# Allegro board 6089-119-RevA_41.brd (continued)
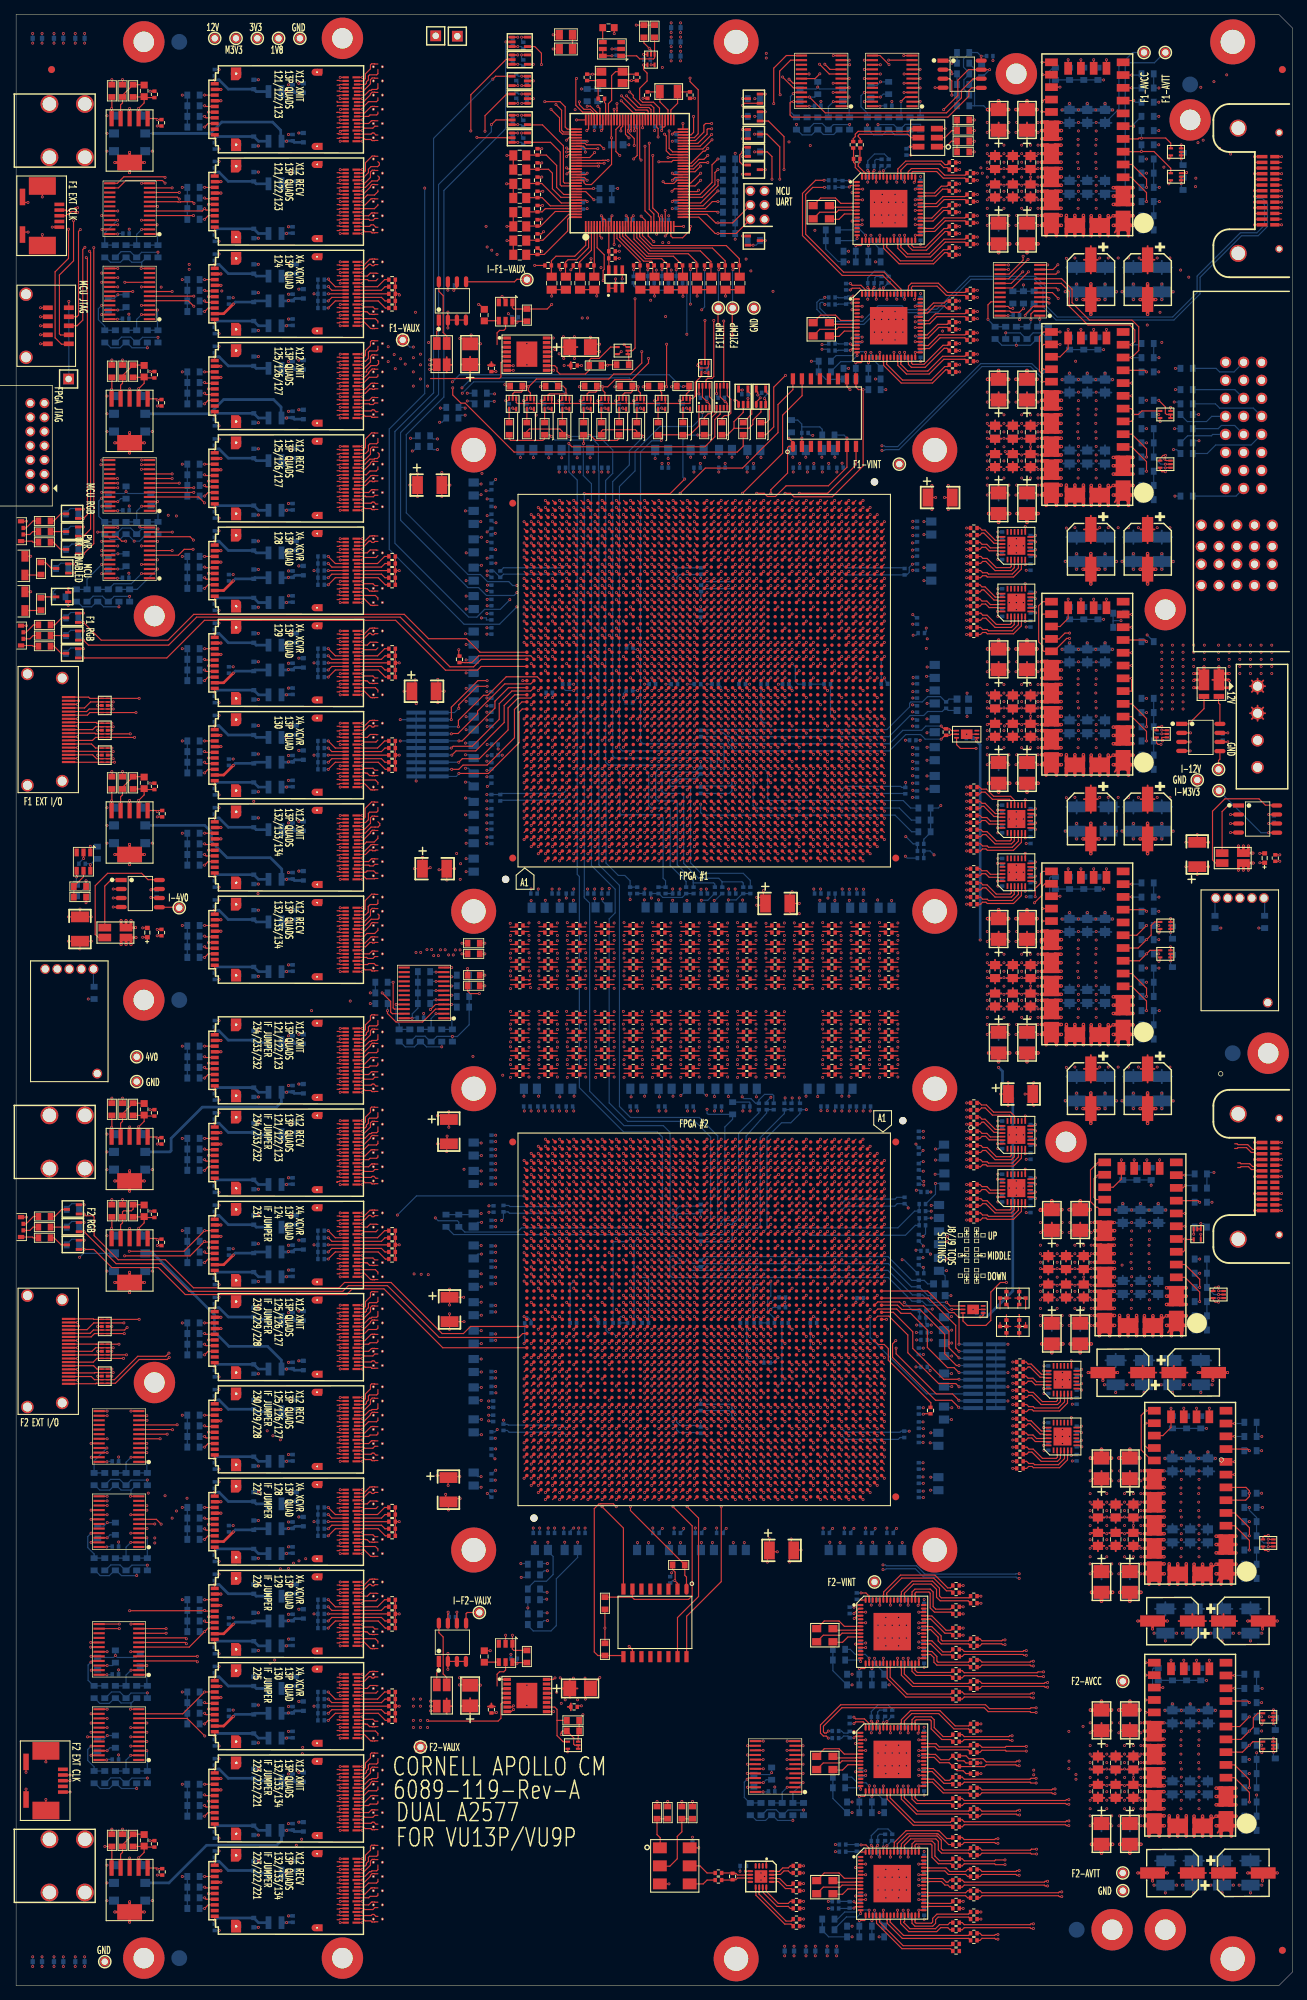
[diagram p0: board, top side]
## Routing (per net, layer and track width the routed paths; a pad name or vN(x,y) marks a point on that pad's centre or on a via; arc(x,y) is an arc through that point) (continued)
NMGT_SM_TO_F1_1: length 139.6
  TOP w0.165: U75.BG19 118.39,176.51 ; P2.5 178.38,256.12
  SIG2 w0.083: 118.39,176.51 118.39,176.82 arc(118.42,176.88) 118.47,176.9 118.56,176.9 arc(118.87,177.03) 119,177.35 119,177.85 arc(118.91,178.06) 118.7,178.15 117.31,178.15 arc(116.95,178) 116.8,177.64 116.8,169.45 arc(116.95,169.1) 117.3,168.95 118.61,168.95 arc(118.85,169.05) 118.95,169.29 118.95,170.51 arc(118.98,170.64) 119.05,170.75 arc(119.22,170.86) 119.41,170.9 126.87,170.9 arc(128,171.12) 128.96,171.76 130.41,173.21 arc(130.96,174.03) 131.15,175 131.15,193.18 arc(131.39,194.4) 132.08,195.44 132.84,196.2 arc(133.56,196.67) 134.4,196.84 135.07,196.84 arc(135.92,197.01) 136.64,197.49 138.42,199.28 arc(139.23,200.48) 139.51,201.9 139.51,202.63 arc(139.75,203.86) 140.45,204.91 145.41,209.87 arc(146,210.75) 146.21,211.79 146.21,218.14 arc(146.3,218.58) 146.54,218.95 146.77,219.17 arc(147.07,219.37) 147.41,219.44 149.67,219.44 arc(149.96,219.5) 150.21,219.67 150.27,219.73 arc(150.48,220.03) 150.55,220.39 150.55,223.82 arc(150.61,224.12) 150.78,224.38 150.91,224.51 arc(151.33,224.81) 151.83,224.96 arc(152.33,225.1) 152.75,225.4 154.06,226.71 arc(154.09,226.74) 154.11,226.78 154.28,227.13 arc(154.29,227.17) 154.3,227.21 arc(154.39,227.41) 154.52,227.58 164.92,237.97 arc(166.17,239.85) 166.61,242.05 166.61,243.26 arc(166.92,244.83) 167.81,246.16 168.17,246.52 arc(169.26,247.25) 170.53,247.5 174.24,247.5 arc(174.94,247.64) 175.54,248.04 175.6,248.1 arc(176.12,248.87) 176.3,249.79 176.3,255.47 arc(176.58,256.14) 177.25,256.42 178.05,256.42 arc(178.09,256.41) 178.11,256.4 178.38,256.12
NMGT_SM_TO_F1_2: length 114.2
  TOP w0.165: U75.BF17 117.39,174.51 ; P2.6 174.58,256.12
  SIG2 w0.083: 174.58,256.12 174.35,256.35 173.86,256.35 arc(173.25,256.23) 172.73,255.88 159.41,242.56 arc(158.89,241.79) 158.71,240.89 158.71,240.81 arc(158.45,239.47) 157.69,238.34 147.42,228.07 arc(147.19,227.73) 147.11,227.34 arc(147.03,226.94) 146.8,226.6 146.04,225.84 arc(145.43,225.43) 144.7,225.29 140.79,225.29 arc(140.14,225.16) 139.59,224.79 136.24,221.44 arc(135.8,220.79) 135.65,220.03 135.65,203.49 arc(135.52,202.85) 135.17,202.32 135.07,202.22 arc(134.55,201.87) 133.93,201.75 133.93,201.75 arc(132.98,201.56) 132.18,201.03 126.57,195.42 arc(125.82,194.3) 125.56,192.99 125.56,178.91 arc(125.3,177.59) 124.55,176.46 123.5,175.41 arc(122.93,175.04) 122.27,174.9 117.47,174.9 arc(117.42,174.88) 117.39,174.82 117.39,174.51
NMGT_SM_TO_F2_1: length 116.8
  TOP w0.165: U77.BG19 75.61,101.29 ; 177.43,117.22 178.38,117.22
  SIG3 w0.083: 75.61,101.29 75.61,100.98 arc(75.58,100.92) 75.53,100.9 75.44,100.9 arc(75.16,100.78) 75.04,100.49 75.04,98.15 arc(75.18,97.83) 75.5,97.69 132.88,97.69 arc(133.8,97.87) 134.58,98.39 146.4,110.21 arc(146.5,110.36) 146.55,110.54 arc(146.57,110.63) 146.6,110.71 arc(146.65,110.79) 146.71,110.86 152.1,116.25 arc(152.76,116.69) 153.55,116.85 174.08,116.85 arc(174.47,116.93) 174.8,117.15 arc(175.21,117.42) 175.69,117.52 178.05,117.52 arc(178.09,117.51) 178.11,117.5 178.38,117.22
NMGT_SM_TO_F2_2: length 113.4
  TOP w0.165: 171.78,117.98 172.12,117.98 172.24,118.1 173.44,118.1 174.12,117.42 174.53,117.42 174.72,117.22 175.64,117.22 ; U77.BF17 76.61,103.29
  SIG3 w0.083: 76.61,103.29 76.61,102.98 arc(76.58,102.92) 76.53,102.9 76.44,102.9 arc(76.12,102.76) 75.99,102.44 75.99,99.15 arc(76.13,98.83) 76.45,98.69 132.45,98.69 arc(132.95,98.79) 133.37,99.07 151.76,117.46 arc(152.57,118) 153.51,118.19 171.27,118.19 arc(171.54,118.14) 171.78,117.98
NTCDS_FROM_ZYNQ_A: length 106.3
  TOP w0.165: U75.BJ33 120.39,191.29 ; J8.4 139.6,98.36
  SIG4 w0.083: 120.39,191.29 120.39,190.98 arc(120.42,190.92) 120.47,190.9 120.56,190.9 arc(120.87,190.77) 121,190.45 121,190.1 arc(121.07,189.92) 121.25,189.85 123.05,189.85 arc(123.84,189.69) 124.5,189.25 125.8,187.95 125.95,187.95 126.18,187.72 126.18,187.57 126.41,187.34 126.56,187.34 126.8,187.1 126.8,186.95 127.03,186.72 127.18,186.72 127.41,186.49 127.41,186.34 132.21,181.54 arc(132.36,181.32) 132.41,181.06 132.41,160.53 arc(132.53,159.94) 132.86,159.44 134.33,157.96 arc(134.5,157.71) 134.56,157.42 134.56,102.75 arc(134.63,102.41) 134.82,102.13 138.72,98.23 arc(138.96,98.07) 139.25,98.01 140.21,98.01 arc(140.34,98.06) 140.4,98.19 140.4,98.27 arc(140.37,98.33) 140.31,98.36 139.6,98.36
NTCDS_FROM_ZYNQ_B: length 100.1
  TOP w0.165: U75.BJ19 120.39,176.51 ; J8.2 139.85,95.75 139.85,95.44
  SIG4 w0.083: 139.85,95.44 140.34,95.45 arc(140.4,95.47) 140.42,95.53 140.42,95.61 arc(140.42,95.61) 140.42,95.61 140.42,95.75 arc(140.29,96.06) 139.98,96.19 138.65,96.19 arc(137.97,96.33) 137.39,96.71 133.04,101.06 arc(132.41,102.01) 132.19,103.12 132.19,154.88 arc(131.78,156.94) 130.61,158.69 129.83,159.47 arc(129.22,160.39) 129,161.47 129,171.48 128.9,171.58 128.9,171.91 129,172.01 129,172.56 128.9,172.66 128.9,172.99 129,173.09 129,173.42 128.9,173.52 128.9,173.85 129,173.95 129,175.84 arc(128.88,176.45) 128.54,176.96 126.88,178.62 arc(126.58,178.82) 126.23,178.89 121.24,178.89 arc(121.23,178.89) 121.21,178.88 121.11,178.84 arc(121.07,178.82) 121.05,178.79 arc(121.02,178.73) 121.01,178.67 121.01,177.3 arc(120.99,177.18) 120.92,177.08 120.84,177 arc(120.73,176.93) 120.61,176.9 120.47,176.9 arc(120.42,176.88) 120.39,176.82 120.39,176.51
NTCDS_TO_ZYNQ_A: length 117.7
  TOP w0.165: J9.4 139.6,94.55 ; U75.BJ38 120.39,196.29
  SIG4 w0.083: 120.39,196.29 120.39,195.98 arc(120.37,195.92) 120.31,195.9 120.23,195.9 arc(119.92,195.77) 119.8,195.47 119.8,189.15 arc(119.95,188.8) 120.3,188.65 122.65,188.65 arc(123.3,188.52) 123.85,188.15 130.63,181.37 arc(131.02,180.8) 131.15,180.12 131.15,159.96 arc(131.33,159.07) 131.83,158.32 131.84,158.31 arc(132.88,156.76) 133.24,154.93 133.24,103.07 arc(133.43,102.14) 133.96,101.35 137.56,97.74 arc(138.06,97.41) 138.65,97.29 141.35,97.29 arc(141.63,97.18) 141.74,96.9 141.74,95.28 arc(141.68,95.15) 141.55,95.09 140.58,95.09 140.41,94.92 140.41,94.63 arc(140.39,94.57) 140.33,94.55 139.6,94.55
NTCDS_TO_ZYNQ_B: length 105
  TOP w0.165: U75.BJ14 120.39,171.51 ; J9.2 139.6,91.44
  SIG4 w0.083: 126.99,123.7 126.99,123.61 ; 126.99,123.7 126.99,163.06 126.9,163.15 126.9,163.48 126.99,163.57 126.99,163.9 126.9,163.99 126.9,164.32 126.99,164.41 126.99,164.74 126.9,164.83 126.9,165.16 126.99,165.25 126.99,165.58 126.9,165.67 126.9,166 126.99,166.09 126.99,174.11 arc(126.83,174.89) 126.39,175.56 124.7,177.25 arc(123.98,177.73) 123.13,177.9 122.3,177.9 arc(122.14,177.85) 122.03,177.72 arc(122.01,177.69) 122.01,177.64 122.01,176.31 arc(121.98,176.17) 121.9,176.05 arc(121.73,175.94) 121.54,175.9 121.17,175.9 arc(121.05,175.85) 121,175.73 121,172.35 arc(120.87,172.03) 120.56,171.9 120.47,171.9 arc(120.42,171.88) 120.39,171.82 120.39,171.51 ; 126.99,123.7 arc(127.17,122.79) 127.69,122.02 129.16,120.54 129.22,120.48 arc(129.98,119.34) 130.25,118 130.25,102.76 arc(130.32,102.43) 130.5,102.15 135.07,97.58 arc(135.14,97.49) 135.18,97.39 135.54,95.69 arc(135.62,95.48) 135.75,95.3 138.47,92.58 arc(138.85,92.33) 139.29,92.24 140.05,92.24 arc(140.3,92.14) 140.4,91.9 140.4,91.53 arc(140.37,91.47) 140.31,91.44 139.6,91.44
NV_1V8_SENSE: length 96.5
  TOP w0.165: R79.1 v1(66.07,140.9) ; U108.20 v1(144.68,151.78)
  PWR3 w0.165: v1(66.07,140.9) 66.07,141.28 66.24,141.44 66.65,141.44 67.35,140.74 67.35,138.85 68.3,137.9 125.15,137.9 130.58,143.33 136.73,143.33 136.74,143.34 137.06,143.34 137.07,143.33 139.08,143.33 139.09,143.34 139.41,143.34 139.42,143.33 141.58,143.33 141.59,143.34 141.91,143.34 141.92,143.33 143.88,143.33 143.89,143.34 144.21,143.34 144.22,143.33 144.37,143.33 144.38,143.34 144.7,143.34 144.71,143.33 144.73,143.33 144.74,143.34 144.94,143.34 146.47,144.86 146.47,150.52 145.94,151.05 144.95,151.05 144.68,151.32 v1(144.68,151.78)
NV_3V3_SENSE: length 94.2
  TOP w0.165: U108.18 145.03,155.28 144.65,154.9 144.65,153.7 v1(143.55,152.6) ; R77.1 v1(66.07,145.4)
  PWR3 w0.165: v1(143.55,152.6) 142.8,152.6 142.19,151.99 141.79,151.99 140.58,150.78 135.93,150.78 124.3,139.15 69.35,139.15 68.6,139.9 68.6,145.05 67.71,145.94 66.24,145.94 66.07,145.78 v1(66.07,145.4)
NV_F1_AVCC_SENSE: length 127.7
  TOP w0.165: U105.18 v1(144.72,269.27)
  PWR3 w0.165: v1(67.45,224.3) 67.75,223.97 67.98,223.96 68.16,223.96 68.57,223.55 68.57,221.9 69.55,220.92 103.53,220.92 109.58,226.97 109.58,255.98 118.3,264.7 118.3,266.79 119.28,267.77 122.22,267.77 127.27,272.82 145.88,272.82 146.81,271.89 146.81,271.31 145.94,270.45 145.9,270.45 v1(144.72,269.27)
  BOTTOM w0.165: v1(67.45,224.3) 66.46,224.3 R473.1
NV_F1_AVTT_SENSE: length 120.8
  TOP w0.165: U105.20 144.95,265.77 v1(144.68,265.5)
  PWR3 w0.165: v1(144.68,265.5) 144.48,265.3 143.16,265.3 141.71,263.85 120.05,263.85 111.58,255.38 111.58,229.62 110.78,228.82 110.78,225.97 104.18,219.37 67.38,219.37 64.74,222.01 63.59,222.01 v1(63.3,222.3)
  BOTTOM w0.165: R480.1 63.2,222.4 v1(63.3,222.3)
NV_F1_INT_SENSE: length 156
  TOP w0.165: U106.20 v1(144.68,227.78) 144.67,227.78 144.67,231.08 144.87,231.28 U106.18 v1(147.15,231.28) ; v1(148.5,190.6) 147.85,190.6 147.03,189.78 U107.20 144.82,189.78 144.56,190.04 144.56,193.11 144.73,193.28 U107.18
  SIG1 w0.083: v1(147.15,231.28) 147.15,232 147.3,232.15 147.76,232.15 147.84,232.07 147.84,227.06 148.54,226.36 148.54,196.36 149.5,195.4 149.5,190.7 149.16,190.36 149.04,190.36 148.8,190.6 v1(148.5,190.6)
  PWR3 w0.165: v1(122.05,216.99) 121.66,216.99 121.54,216.87 68.07,216.87 65.72,219.22 63.27,219.22 61.42,217.37 59.61,217.37 59.4,217.57 v1(59.4,217.95)
  BOTTOM w0.165: v1(144.68,227.78) 144.91,227.54 144.91,227.31 144.79,227.19 144.55,227.19 144.25,227.5 144.25,227.53 143.88,227.9 143.84,227.9 143.17,228.57 135.97,228.57 124.27,216.87 122.51,216.87 122.39,216.99 v1(122.05,216.99) ; R486.1 58.81,217.95 v1(59.4,217.95)
NV_F2_AVCC_SENSE: length 110.8
  TOP w0.165: U118.18 v1(159.25,43.77)
  PWR3 w0.165: v1(74.8,54.48) 74.8,54.45 75.06,54.71 75.06,54.78 75.3,54.76 99.54,54.76 115.8,38.51 115.8,31.1 118.15,28.75 141.34,28.75 142.44,29.85 142.94,29.85 143.06,29.73 v1(143.45,29.73)
  PWR4 w0.165: v1(159.25,43.77) 159.25,44.28 159.08,44.44 155.54,44.44 147.42,36.32 147.42,33.77 143.62,29.97 143.45,29.97 v1(143.45,29.73)
  BOTTOM w0.165: R465.1 73.91,54.45 74.8,54.45 v1(74.8,54.48)
NV_F2_AVTT_SENSE: length 112.9
  TOP w0.165: U118.20 v1(159.25,40.27)
  PWR3 w0.165: v1(149.4,29.77) 149.01,29.77 148.89,29.65 146.7,29.65 145.05,28 143.06,28 138.86,23.8 111.3,23.8 107.87,27.23 107.87,33.11 105.11,35.87 100.43,35.87 84.06,52.24 75.45,52.24 75.21,52.22 v1(74.85,52.55)
  PWR4 w0.165: v1(149.4,29.77) 149.79,29.77 149.91,29.65 150.18,29.65 150.58,30.05 150.58,34.48 151,34.9 155.25,34.9 157,36.65 157,38.99 157.67,39.67 158.64,39.67 v1(159.25,40.27)
  BOTTOM w0.165: R466.1 74.01,52.55 v1(74.85,52.55)
NV_F2_INT_SENSE: length 153.5
  TOP w0.165: 152.25,114 v1(152.22,114) ; 152.25,114 152.52,114.28 U109.18 ; 152.25,114 151.95,113.7 151.95,111.1 152.27,110.78 U109.20 ; U117.20 159.47,75.78 159.05,76.2 159.05,79.08 v1(159.25,79.28) U117.18
  SIG2 w0.083: v1(152.22,114) 152.25,114 152.25,114.45 152.85,115.05 153.37,115.05 153.45,114.97 153.45,90.25 158,85.7 158,80.9 158.86,80.05 159.16,80.05 159.25,79.96 v1(159.25,79.28)
  PWR3 w0.165: v1(74.9,58.48) 74.9,58.45 75.22,58.77 121.69,58.77 121.81,58.64 v1(122.2,58.64) ; v1(141.4,57.4) 141.85,57.4 141.98,57.53 142.82,57.53 150.77,65.48 150.77,74.48 156.17,79.88 158.7,79.88 159.25,79.34 v1(159.25,79.28)
  BOTTOM w0.165: v1(74.9,58.48) 74.44,58.48 R463.1 ; v1(122.2,58.64) 122.54,58.64 122.66,58.77 126.75,58.77 127.92,57.6 140.95,57.6 141.07,57.48 141.32,57.48 v1(141.4,57.4)
NXTAL_R0A: length 6.7
  TOP w0.165: U86.9 117.86,250.15 117.82,250.19 115.94,250.19 115.65,249.9 113.28,249.9 X3.3
NXTAL_R0B: length 6.7
  TOP w0.165: X4.3 113.28,233.4 115.65,233.4 115.94,233.69 117.82,233.69 117.86,233.65 U87.9
NXTAL_R1A: length 6.7
  TOP w0.165: X7.3 113.78,13.9 116.15,13.9 116.44,14.19 118.32,14.19 118.36,14.15 U91.9
NXTAL_R1B: length 6.7
  TOP w0.165: X6.3 113.78,31.4 116.15,31.4 116.44,31.69 118.32,31.69 118.36,31.65 U90.9
NXTAL_R1C: length 6.7
  TOP w0.165: X5.3 113.78,49.4 116.15,49.4 116.44,49.69 118.32,49.69 118.36,49.65 U89.9
OSC0: length 10.4
  TOP w0.165: U68.88 83.5,265.2 83.95,265.65 83.95,269.15 84.5,269.7 X1.1 85.85,269.35 C134.1
OSC1: length 3.1
  TOP w0.165: U68.89 83.1,265.2 82.95,265.35 R107.2
PCON1_TCDS_IN: length 145.9
  TOP w0.165: U75.BG32 118.39,190.29 ; P2.21 178.38,249.72
  SIG2 w0.083: 178.38,249.72 178.11,249.45 arc(178.09,249.44) 178.05,249.43 177.97,249.43 arc(177.76,249.34) 177.68,249.14 177.68,247.76 arc(177.58,247.27) 177.3,246.85 arc(176.09,246.04) 174.65,245.75 172.26,245.75 arc(171.56,245.61) 170.96,245.21 170.84,245.09 arc(170.37,244.38) 170.2,243.54 170.2,241.11 arc(169.95,239.85) 169.23,238.78 166.16,235.71 165.91,235.71 165.68,235.48 165.68,235.22 165.44,234.99 165.19,234.99 164.96,234.76 164.96,234.5 164.72,234.27 164.47,234.27 164.24,234.04 164.24,233.78 164,233.55 163.75,233.55 163.52,233.32 163.52,233.06 155.91,225.45 arc(155.31,224.56) 155.1,223.5 155.1,210.01 arc(154.94,209.2) 154.48,208.52 143.47,197.51 arc(142.8,197.06) 142,196.9 141.41,196.9 arc(140.71,196.76) 140.11,196.36 139.76,196.01 arc(139.23,195.21) 139.04,194.27 139.04,190.17 arc(138.92,189.59) 138.59,189.09 135.78,186.28 arc(134.91,184.97) 134.6,183.43 134.6,173.25 arc(134.37,172.07) 133.7,171.07 132.11,169.48 arc(130.58,168.46) 128.77,168.1 116.35,168.1 arc(116.21,168.13) 116.1,168.21 116.09,168.21 arc(115.99,168.36) 115.96,168.53 115.96,190.36 arc(116.06,190.6) 116.3,190.7 118.25,190.7 arc(118.35,190.66) 118.39,190.56 118.39,190.29
PCON1_TCDS_OUT: length 106.3
  TOP w0.165: U75.BH39 119.39,197.29 ; P2.22 174.58,249.72
  SIG2 w0.083: 174.58,249.72 174.85,249.45 arc(174.87,249.44) 174.91,249.43 174.99,249.43 arc(175.24,249.54) 175.35,249.79 175.35,257.22 arc(175.29,257.53) 175.11,257.79 174.98,257.93 arc(174.63,258.16) 174.22,258.24 173.12,258.24 arc(172.63,258.14) 172.21,257.87 170.82,256.47 170.82,256.32 170.59,256.09 170.43,256.09 170.2,255.85 170.2,255.7 169.96,255.46 169.81,255.46 169.58,255.23 169.58,255.08 169.34,254.84 169.19,254.84 168.96,254.61 168.96,254.46 168.72,254.22 168.57,254.22 168.34,253.99 168.34,253.84 168.1,253.6 167.95,253.6 167.72,253.37 167.72,253.22 167.48,252.98 167.33,252.98 167.1,252.75 167.1,252.6 166.86,252.36 166.71,252.36 158.04,243.69 arc(157.99,243.63) 157.96,243.57 arc(157.89,243.41) 157.78,243.27 151.9,237.39 arc(151.3,236.99) 150.59,236.85 149.68,236.85 arc(148.78,236.67) 148.03,236.17 134,222.13 arc(133.52,221.43) 133.36,220.6 133.36,205.48 arc(133.13,204.31) 132.46,203.31 124.56,195.41 arc(123.76,194.88) 122.82,194.69 120.3,194.69 arc(119.94,194.84) 119.79,195.2 119.79,197.45 arc(119.72,197.62) 119.56,197.69 119.47,197.69 arc(119.42,197.66) 119.39,197.6 119.39,197.29
PCON2_TCDS_IN: length 77.6
  TOP w0.165: U77.BG32 75.61,87.51 ; J8.7 142.3,95.35 142.31,95.35
  SIG3 w0.083: 75.61,87.51 75.61,87.2 arc(75.63,87.14) 75.69,87.11 arc(75.91,87.2) 76,87.42 76,94.5 arc(76.12,94.78) 76.4,94.9 136.06,94.9 arc(136.65,95.02) 137.15,95.35 arc(137.87,95.83) 138.72,96 140,96 arc(140.46,95.81) 140.65,95.35 140.65,95.26 arc(140.7,95.14) 140.81,95.1 141.67,95.1 arc(141.84,95.13) 141.98,95.22 142.03,95.28 arc(142.11,95.33) 142.2,95.35 142.31,95.35
PCON2_TCDS_MIXED_IN: length 48.9
  TOP w0.165: J8.5 140.79,96.9 ; P3.21 178.38,110.83
  SIG3 w0.083: 175.66,112.2 175.75,112.2 ; 175.66,112.2 174.35,112.2 arc(173.98,112.13) 173.67,111.92 171.46,109.71 171.31,109.71 171.07,109.47 171.07,109.32 170.84,109.09 170.69,109.09 170.46,108.86 170.46,108.71 170.22,108.47 170.07,108.47 169.84,108.24 169.84,108.09 161.97,100.22 arc(161.65,99.74) 161.54,99.18 161.54,97.94 arc(161.52,97.74) 161.46,97.55 arc(161.37,97.39) 161.25,97.25 160.71,96.71 arc(160.1,96.3) 159.39,96.16 140.86,96.16 arc(140.68,96.23) 140.6,96.41 140.6,96.5 arc(140.63,96.56) 140.69,96.58 140.71,96.58 arc(140.77,96.6) 140.79,96.66 140.79,96.9 ; 175.66,112.2 arc(175.97,112.14) 176.23,111.96 177.45,110.75 arc(177.69,110.59) 177.97,110.53 178.05,110.53 arc(178.09,110.54) 178.11,110.55 178.38,110.83
PCON2_TCDS_MIXED_OUT: length 47
  TOP w0.165: J9.5 140.79,92.9 ; P3.22 174.58,110.83
  SIG3 w0.083: 140.79,92.9 140.73,92.84 arc(140.64,92.7) 140.61,92.55 140.61,92.34 arc(140.65,92.24) 140.75,92.2 159.48,92.2 arc(160.43,92.39) 161.23,92.92 163.01,94.71 arc(163.51,95.46) 163.69,96.35 163.69,99.64 arc(163.84,100.38) 164.25,101 168.82,105.57 168.82,105.67 168.82,105.67 168.82,105.77 169.06,106.01 169.16,106.01 169.26,106.01 169.5,106.24 169.5,106.34 169.5,106.44 169.73,106.68 169.83,106.68 169.93,106.68 170.17,106.91 170.17,107.01 170.17,107.12 170.4,107.35 170.5,107.35 170.6,107.35 173.51,110.26 arc(173.81,110.46) 174.16,110.53 174.25,110.53 arc(174.28,110.54) 174.31,110.55 174.58,110.83
PCON2_TCDS_OUT: length 82.8
  TOP w0.165: U77.BH39 74.61,80.51 ; J9.7 142.3,93.46
  SIG3 w0.083: 142.3,93.46 140.69,93.46 arc(140.63,93.48) 140.6,93.54 140.6,93.75 arc(140.52,93.96) 140.3,94.05 136.46,94.05 arc(136.32,94.02) 136.19,93.94 136.15,93.89 arc(136.05,93.83) 135.95,93.81 126.5,93.81 arc(126.12,93.75) 125.77,93.59 arc(125.63,93.52) 125.49,93.48 arc(125.43,93.46) 125.37,93.46 77.29,93.46 arc(77.09,93.37) 77,93.17 77,80.41 arc(76.91,80.2) 76.7,80.11 74.69,80.11 arc(74.63,80.14) 74.61,80.2 74.61,80.51
PF1_A_RECV0: length 23
  TOP w0.165: 105.69,141.06 106.39,141.06 C218.1 ; U75.AU2 108.39,159.51
  SIG4 w0.083: 108.39,159.51 108.39,159.2 arc(108.42,159.14) 108.47,159.11 108.56,159.11 arc(108.87,158.98) 109,158.67 109,152.14 arc(108.82,151.23) 108.3,150.45 arc(108,150.01) 107.9,149.48 107.9,141.9 arc(107.72,141.48) 107.3,141.3 106.26,141.3 arc(105.95,141.24) 105.69,141.06 105.92,141.29 106.18,141.29 106.17,141.3 106.1,141.3
PF1_A_RECV1: length 21.3
  TOP w0.165: 105.69,143.56 106.39,143.56 C216.1 ; U75.AT4 107.39,161.51
  SIG4 w0.083: 107.39,161.51 107.39,161.2 arc(107.42,161.14) 107.47,161.11 107.56,161.11 arc(107.87,160.98) 108,160.67 108,151.5 arc(107.94,151.02) 107.76,150.57 arc(107.76,150.57) 107.76,150.57 107.75,150.56 arc(107.49,149.89) 107.4,149.17 107.4,144.1 arc(107.31,143.89) 107.1,143.8 106.2,143.8 arc(105.95,143.75) 105.74,143.61 105.69,143.56
PF1_A_RECV2: length 16
  TOP w0.165: U75.AR2 106.39,159.51 ; 105.69,146.06 106.39,146.06 C214.1
  SIG4 w0.083: 106.39,159.51 106.39,159.2 arc(106.42,159.14) 106.47,159.11 106.56,159.11 arc(106.87,158.98) 107,158.67 107,150.41 arc(106.98,150.28) 106.93,150.15 arc(106.88,150.02) 106.86,149.89 106.86,147.13 arc(106.79,146.79) 106.6,146.5 arc(106.38,146.35) 106.12,146.3 arc(105.94,146.27) 105.8,146.17 105.69,146.06
PF1_A_RECV3: length 15.3
  TOP w0.165: C212.1 106.39,148.56 105.69,148.56 ; U75.AP4 105.39,161.51
  SIG4 w0.083: 105.69,148.56 105.7,148.56 arc(105.76,148.59) 105.79,148.65 105.79,148.68 arc(105.81,148.74) 105.87,148.76 105.95,148.76 arc(106.23,148.88) 106.35,149.16 106.35,149.7 arc(106.29,149.98) 106.14,150.21 106.1,150.25 arc(106.03,150.36) 106,150.49 106,160.67 arc(105.87,160.98) 105.56,161.11 105.47,161.11 arc(105.42,161.14) 105.39,161.2 105.39,161.51
PF1_A_XMIT0: length 39.9
  TOP w0.165: 105.69,128.56 106.39,128.56 C226.2 ; U75.AU7 108.39,164.51
  SIG3 w0.083: 105.69,128.56 105.9,128.77 arc(105.92,128.78) 105.95,128.79 107.1,128.79 arc(107.67,129.02) 107.9,129.59 107.9,150.05 arc(107.96,150.37) 108.15,150.65 108.5,151 arc(108.88,151.56) 109.01,152.23 109.01,163.66 arc(108.88,163.98) 108.56,164.11 108.47,164.11 arc(108.42,164.14) 108.39,164.2 108.39,164.51
PF1_A_XMIT1: length 38.6
  TOP w0.165: C224.2 106.39,131.06 105.69,131.06 ; U75.AT9 107.39,166.51
  SIG3 w0.083: 107.39,166.51 107.39,166.2 arc(107.42,166.14) 107.47,166.11 107.56,166.11 arc(107.88,165.98) 108.01,165.66 108.01,152.28 arc(107.94,151.94) 107.75,151.65 107.53,151.43 arc(107.32,151.12) 107.25,150.75 107.25,132.14 arc(107,131.54) 106.4,131.29 105.95,131.29 arc(105.92,131.28) 105.9,131.27 105.69,131.06
PF1_A_XMIT2: length 33.5
  TOP w0.165: C222.2 106.39,133.56 105.69,133.56 ; U75.AR7 106.39,164.51
  SIG3 w0.083: 105.69,133.56 105.9,133.77 arc(105.92,133.78) 105.95,133.79 106.1,133.79 arc(106.52,133.97) 106.7,134.39 106.7,151.68 arc(106.71,151.74) 106.75,151.8 arc(106.94,152.09) 107.01,152.43 107.01,163.66 arc(106.88,163.98) 106.56,164.11 106.47,164.11 arc(106.42,164.14) 106.39,164.2 106.39,164.51
PF1_A_XMIT3: length 33.1
  TOP w0.165: 105.69,136.06 106.39,136.06 C220.2 ; U75.AP9 105.39,166.51
  SIG3 w0.083: 105.39,166.51 105.39,166.2 arc(105.42,166.14) 105.47,166.11 105.56,166.11 arc(105.83,166) 105.95,165.72 105.95,152.55 arc(105.85,152.02) 105.57,151.57 105.56,151.56 arc(105.37,151.24) 105.3,150.88 105.3,139.4 arc(105.36,139.08) 105.55,138.8 106.01,138.34 arc(106.19,138.07) 106.26,137.75 106.26,136.82 arc(106.18,136.53) 105.96,136.31 arc(105.92,136.3) 105.88,136.29 arc(105.87,136.29) 105.86,136.29 arc(105.84,136.29) 105.82,136.3 arc(105.78,136.22) 105.79,136.14 arc(105.76,136.09) 105.7,136.06 105.69,136.06
PF1_B_RECV0: length 23.1
  TOP w0.165: U75.AN2 104.39,159.51 ; 101.69,141.06 102.39,141.06 C202.1
  SIG4 w0.083: 102.1,141.3 102.17,141.3 102.18,141.29 101.92,141.29 101.69,141.06 arc(101.95,141.24) 102.26,141.3 103.3,141.3 arc(103.72,141.48) 103.9,141.9 103.9,149.53 arc(103.98,149.92) 104.2,150.25 104.3,150.35 arc(104.82,151.13) 105,152.04 105,158.67 arc(104.87,158.98) 104.56,159.11 104.47,159.11 arc(104.42,159.14) 104.39,159.2 104.39,159.51
PF1_B_RECV1: length 21.3
  TOP w0.165: C200.1 102.39,143.56 101.69,143.56 ; U75.AM4 103.39,161.51
  SIG4 w0.083: 103.39,161.51 103.39,161.2 arc(103.42,161.14) 103.47,161.11 103.56,161.11 arc(103.87,160.98) 104,160.67 104,151.5 arc(103.94,151.02) 103.76,150.57 arc(103.76,150.57) 103.76,150.57 103.75,150.56 arc(103.49,149.89) 103.4,149.17 103.4,144.1 arc(103.31,143.89) 103.1,143.8 102.2,143.8 arc(101.95,143.75) 101.74,143.61 101.69,143.56
PF1_B_RECV2: length 16
  TOP w0.165: C198.1 102.39,146.06 101.69,146.06 ; U75.AL2 102.39,159.51
  SIG4 w0.083: 102.39,159.51 102.39,159.2 arc(102.42,159.14) 102.47,159.11 102.56,159.11 arc(102.87,158.98) 103,158.67 103,150.41 arc(102.98,150.28) 102.93,150.15 arc(102.88,150.02) 102.86,149.89 102.86,147.13 arc(102.79,146.79) 102.6,146.5 arc(102.38,146.35) 102.12,146.3 arc(101.94,146.27) 101.8,146.17 101.69,146.06
PF1_B_RECV3: length 15.2
  TOP w0.165: 101.69,148.56 102.39,148.56 C196.1 ; U75.AK4 101.39,161.51
  SIG4 w0.083: 101.69,148.56 101.88,148.75 arc(101.93,148.79) 102,148.8 arc(102.21,148.89) 102.3,149.1 102.3,149.96 arc(102.27,150.09) 102.2,150.2 arc(102.05,150.42) 102,150.68 102,160.67 arc(101.87,160.98) 101.56,161.11 101.47,161.11 arc(101.42,161.14) 101.39,161.2 101.39,161.51
PF1_B_XMIT0: length 39.9
  TOP w0.165: C210.2 102.39,128.56 101.69,128.56 ; U75.AN7 104.39,164.51
  SIG3 w0.083: 101.69,128.56 101.9,128.77 arc(101.92,128.78) 101.95,128.79 103.1,128.79 arc(103.67,129.02) 103.9,129.59 103.9,150.05 arc(103.96,150.37) 104.15,150.65 104.5,151 arc(104.88,151.56) 105.01,152.23 105.01,163.66 arc(104.88,163.98) 104.56,164.11 104.47,164.11 arc(104.42,164.14) 104.39,164.2 104.39,164.51
PF1_B_XMIT1: length 38.6
  TOP w0.165: U75.AM9 103.39,166.51 ; C208.2 102.39,131.06 101.69,131.06
  SIG3 w0.083: 103.39,166.51 103.39,166.2 arc(103.42,166.14) 103.47,166.11 103.56,166.11 arc(103.88,165.98) 104.01,165.66 104.01,152.28 arc(103.94,151.94) 103.75,151.65 103.53,151.43 arc(103.32,151.12) 103.25,150.75 103.25,132.14 arc(103,131.54) 102.4,131.29 101.95,131.29 arc(101.92,131.28) 101.9,131.27 101.69,131.06
PF1_B_XMIT2: length 33.5
  TOP w0.165: C206.2 102.39,133.56 101.69,133.56 ; U75.AL7 102.39,164.51
  SIG3 w0.083: 101.69,133.56 101.9,133.77 arc(101.92,133.78) 101.95,133.79 102.1,133.79 arc(102.52,133.97) 102.7,134.39 102.7,151.68 arc(102.71,151.74) 102.75,151.8 arc(102.94,152.09) 103.01,152.43 103.01,163.66 arc(102.88,163.98) 102.56,164.11 102.47,164.11 arc(102.42,164.14) 102.39,164.2 102.39,164.51
PF1_B_XMIT3: length 33.1
  TOP w0.165: C204.2 102.39,136.06 101.69,136.06 ; U75.AK9 101.39,166.51
  SIG3 w0.083: 101.69,136.06 101.7,136.06 arc(101.76,136.09) 101.79,136.14 arc(101.78,136.22) 101.82,136.3 arc(101.84,136.29) 101.86,136.29 arc(101.87,136.29) 101.88,136.29 arc(101.92,136.3) 101.96,136.31 arc(102.18,136.53) 102.26,136.82 102.26,137.75 arc(102.19,138.07) 102.01,138.34 101.55,138.8 arc(101.36,139.08) 101.3,139.4 101.3,150.88 arc(101.37,151.24) 101.56,151.56 101.57,151.57 arc(101.85,152.02) 101.95,152.55 101.95,165.72 arc(101.83,166) 101.56,166.11 101.47,166.11 arc(101.42,166.14) 101.39,166.2 101.39,166.51
PF1_C_RECV0: length 22.4
  TOP w0.165: C182.1 98.39,141.06 97.69,141.06 ; U75.AJ2 100.39,159.51
  SIG4 w0.083: 100.39,159.51 100.39,159.2 arc(100.42,159.14) 100.47,159.11 100.56,159.11 arc(100.87,158.98) 101,158.67 101,152.14 arc(100.82,151.23) 100.3,150.45 arc(100,150.01) 99.9,149.48 99.9,141.9 arc(99.72,141.48) 99.3,141.3 98.26,141.3 arc(97.95,141.24) 97.69,141.06
